# Altium PCB Face_InMain1V0.PcbDoc (part 2 of 2)
Units mm, origin at the board's own origin, x right, y up, seen from the top; angles counter-clockwise.
Board outline 95 x 77.8 mm, 2 copper layers (Top Layer, Bottom Layer), stack 0.8 mm thick; 173 components, 129 nets, 571 pads, 520 vias.
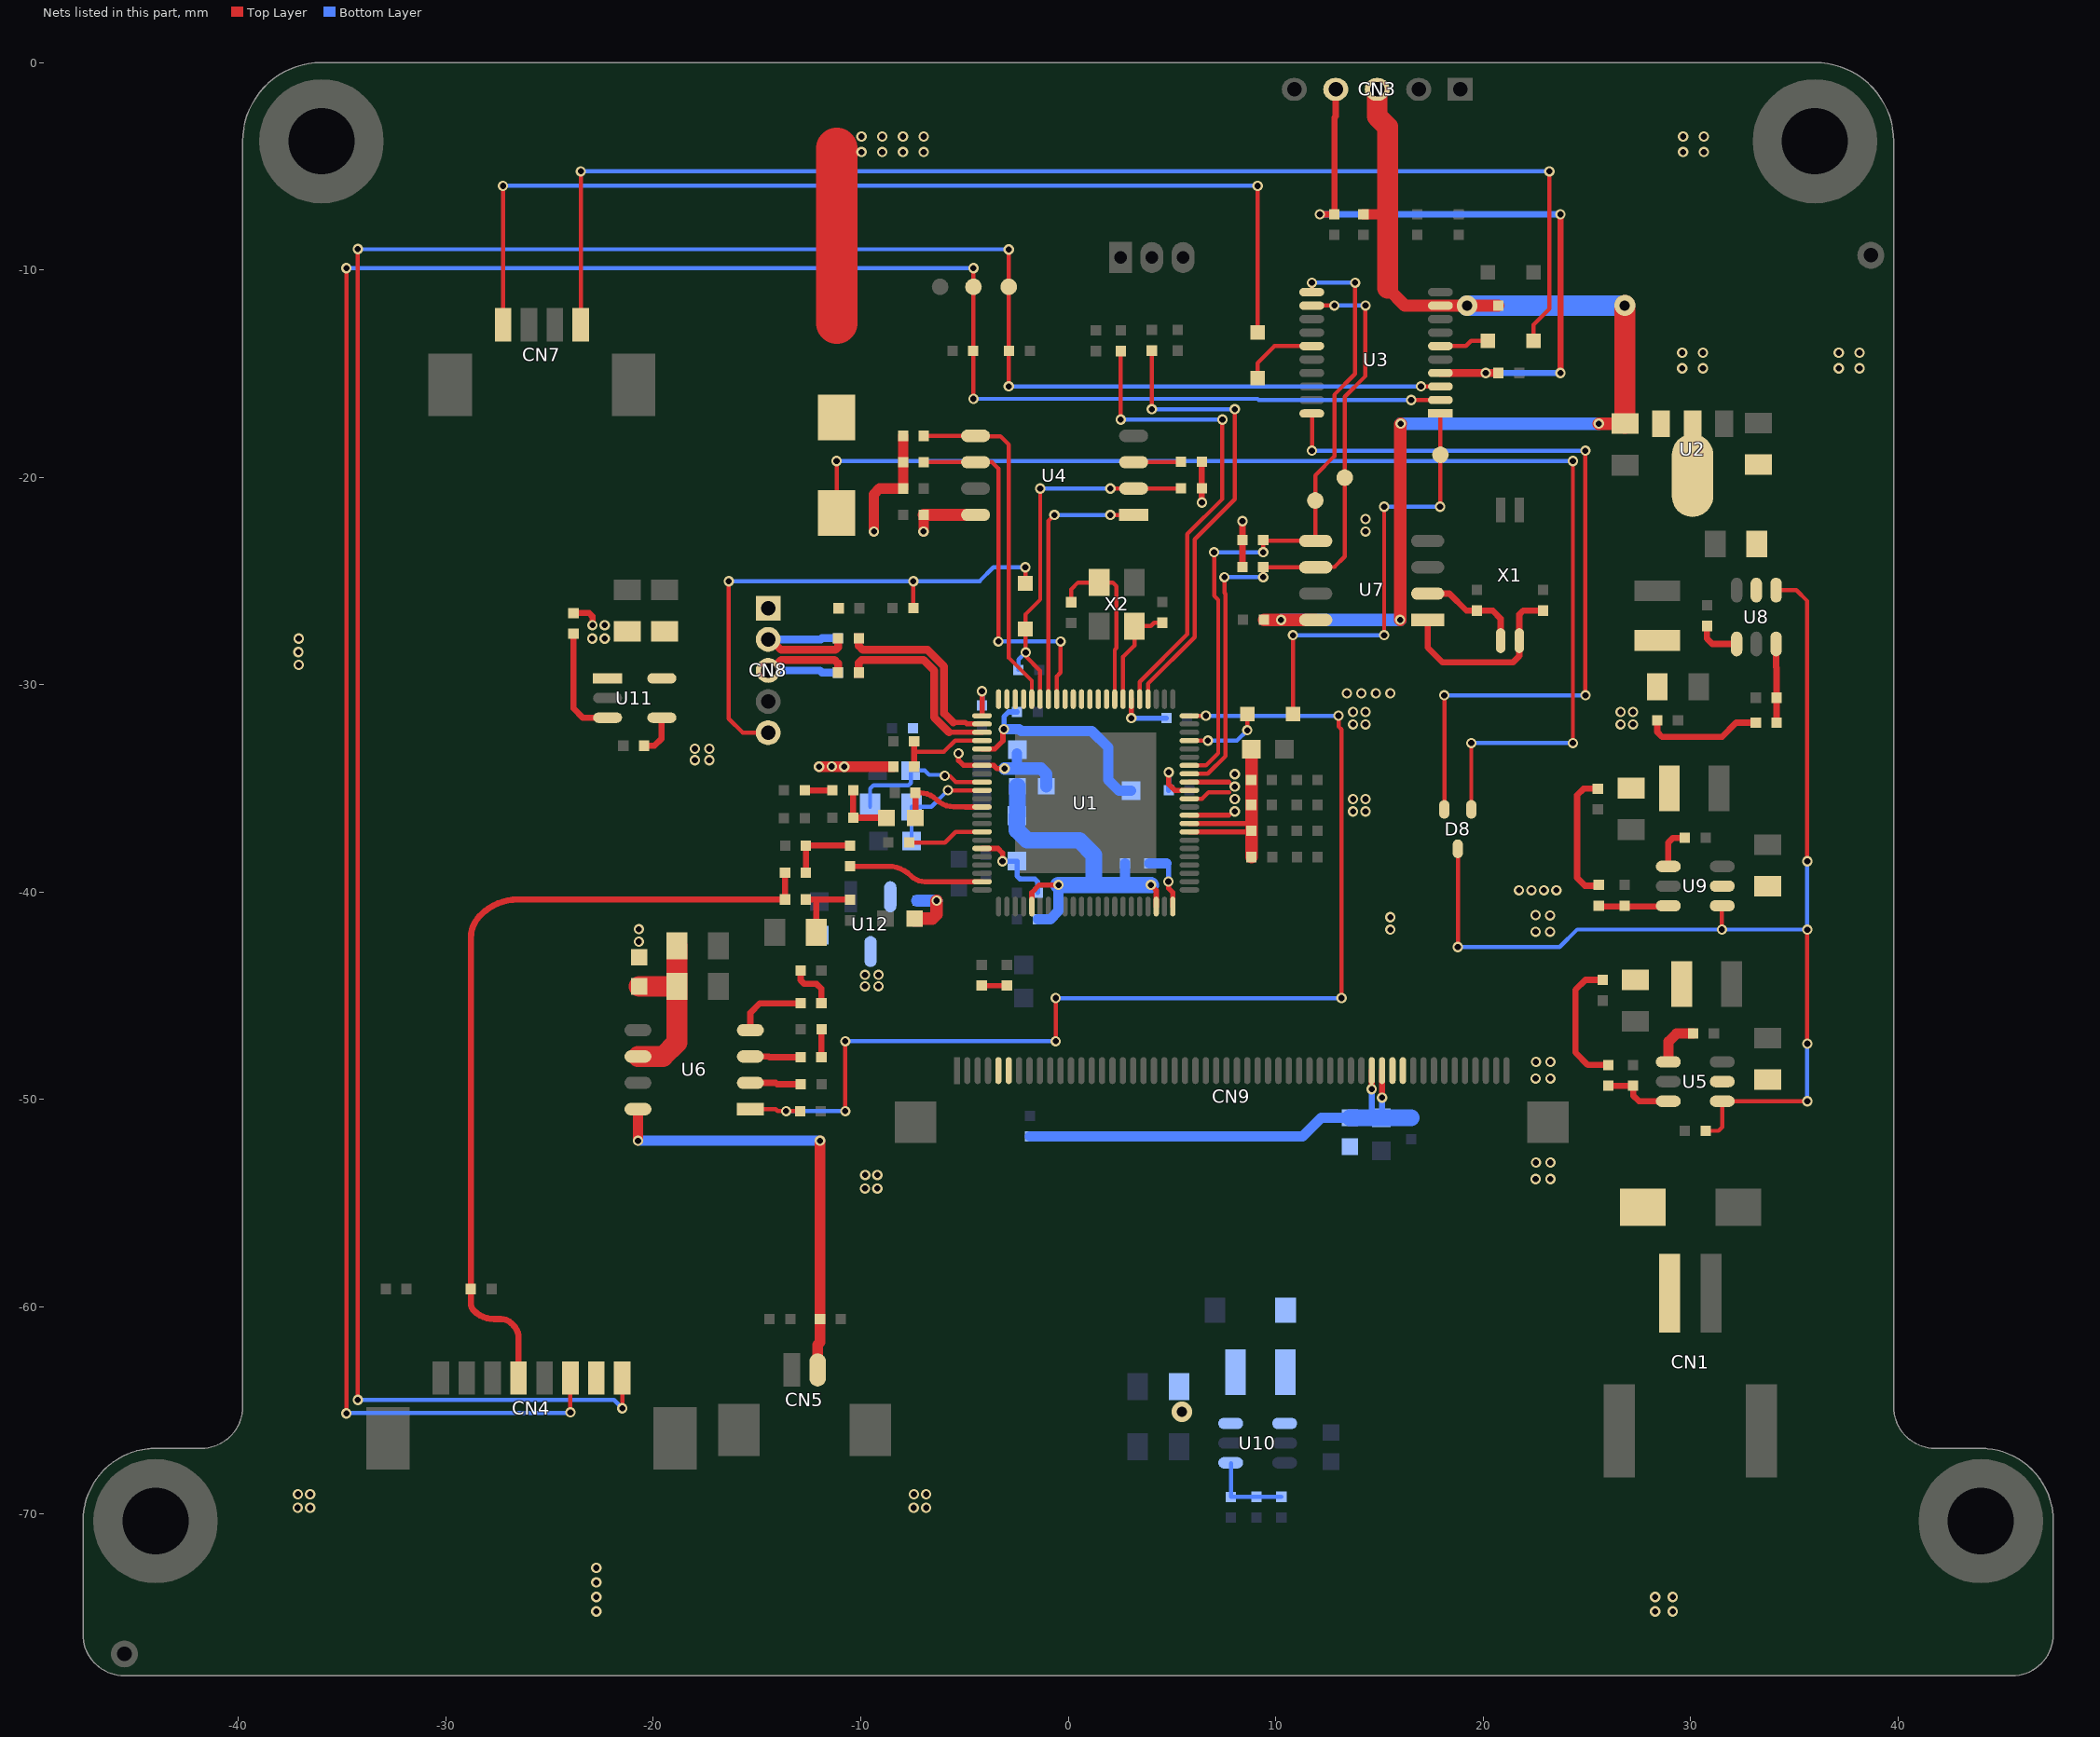
[diagram p2: the nets of this part, all layers, seen from the top]

## Via types
v1: diameter 0.5, hole 0.3, Top Layer to Bottom Layer, tented both sides, 513 vias
v2: diameter 1, hole 0.5, Top Layer to Bottom Layer, tented both sides, 7 vias

## Nets (pads, with @x,y where several pads share a name; then routed paths per layer and width w, separated by ;. In a path a pad name is that pad's centre, name@x,y a point inside that pad or via, vN(x,y) a via of type N, cw(c..) or ccw(c..) an arc to the next point about the centre after c; other vN are vias at no path point) (continued)
LS-: CN5.2 E2.1 U6.8 | length 21.4
  Top Layer w0.5: v1(-20.744,-52) U6.8@-20.744,-50.478 ; CN5.2@-12.079,-63.05 -12.079,-61.837 -11.967,-61.724 E2.1@-11.967,-60.6 v1(-11.967,-52)
  Bottom Layer w0.5: v1(-20.744,-52) v1(-11.967,-52)
LX_LCD: D3.1 L4.2 U10.1
MBIAS: C60.1 R35.1 R36.1 | length 3.7
  Top Layer w0.3: R35.1@-12.652,-40.366 -12.104,-40.366 ; C60.1@-12.144,-41.95 -12.144,-40.405 -12.104,-40.366 ; R36.1@-10.521,-40.366 -12.104,-40.366
MCU_INT: D9.2 MCU_INT.1 U3.1 | length 21.6
  Top Layer w0.2: D9.2@10.833,-31.421 v1(10.833,-27.621) ; v1(15.233,-27.621) v1(15.233,-21.421) ; v1(17.933,-21.421) 17.94,-21.415 MCU_INT.1@17.94,-18.928 ; MCU_INT.1@17.946,-18.921 U3.1@17.946,-16.927
  Bottom Layer w0.2: v1(10.833,-27.621) v1(15.233,-27.621) ; v1(15.233,-21.421) v1(17.933,-21.421)
MICI: CN4.4 E16.1 R34.2 R35.2 | length 40.1
  Top Layer w0.3: CN4.4@-26.5,-63.45 -26.5,-61.504 ccw(c-27.354,-61.504) -26.75,-60.9 -26.838,-60.812 ccw(c-27.35,-61.324) -27.35,-60.6 -27.684,-60.6 cw(c-27.684,-59.234) -28.65,-60.2 cw(c-28.288,-59.838) -28.8,-59.838 E16.1@-28.8,-59.15 -28.8,-42.221 cw(c-27.264,-42.221) -28.35,-41.135 -28.325,-41.11 cw(c-26.529,-42.906) -26.529,-40.366 R35.2@-13.652,-40.366 ; R35.2@-13.649,-40.363 R34.2@-13.649,-39.066
MICIN: C59.1 U1.87 | length 6.6
  Top Layer w0.25: C59.1@-10.511,-38.766 -8.695,-38.766 cw(c-8.695,-40.36) -7.567,-39.233 ccw(c-6.912,-38.577) -6.912,-39.504 U1.87@-4.155,-39.504
NetC12_1: C12.1 R11.1 | length 2.3
  Top Layer w0.3: C12.1@-12.9,-43.8 -12.9,-44.26 -12.72,-44.44 -12.127,-44.44 -11.897,-44.67 R11.1@-11.897,-45.371
NetC13_1: C13.1 R13.1 | length 1.3
  Top Layer w0.3: R13.1@-11.895,-47.97 C13.1@-11.895,-46.623
NetC27_2: C27.2 U5.1 | length 2.3
  Top Layer w0.5: U5.1@28.933,-48.196 28.933,-47.221 29.333,-46.821 C27.2@30.133,-46.821
NetC31_1: C31.1 U9.1 | length 2
  Top Layer w0.3: U9.1@28.933,-38.771 28.933,-37.621 29.158,-37.396 C31.1@29.733,-37.396
NetC40_1: C40.1 R20.1 R27.2 U10.4 | length 4.1
  Bottom Layer w0.2: R27.2@7.848,-69.179 U10.4@7.848,-67.545 ; R27.2@7.852,-69.174 R20.1@10.273,-69.174
NetC44_2: C44.2 U8.1 | length 2.2
  Top Layer w0.3: C44.2@30.797,-27.174 30.797,-27.79 31.052,-28.045 U8.1@32.228,-28.045
NetC51_1: C51.1 U6.2 | length 2.5
  Top Layer w0.3: U6.2@-15.324,-49.208 -14.1,-49.208 -14.035,-49.273 C51.1@-12.894,-49.273
NetC52_1: C52.1 U7.1 X1.1 | length 9.4
  Top Layer w0.3: U7.1@17.332,-26.884 17.332,-28.217 18.051,-28.936 21.433,-28.936 21.749,-28.62 X1.1@21.749,-27.884 21.749,-26.621 21.933,-26.438 C52.1@22.897,-26.438
NetC53_1: C53.1 U7.2 X1.4 | length 5.1
  Top Layer w0.3: U7.2@17.332,-25.614 18.376,-25.614 19.199,-26.438 C53.1@19.699,-26.438 20.466,-26.438 20.849,-26.821 X1.4@20.849,-27.884
NetC57_1: C57.1 R4.2 | length 1.2
  Top Layer w0.25: R4.2@-4.167,-44.518 C57.1@-2.955,-44.518
NetC58_1: C58.1 C59.2 R34.1 | length 3.4
  Top Layer w0.3: R34.1@-12.647,-39.064 C58.1@-12.647,-37.768 ; C58.1@-12.645,-37.766 C59.2@-10.511,-37.766
NetC67_1: C67.1 R37.1 | length 1.3
  Top Layer w0.3: C67.1@-12.704,-35.104 R37.1@-11.367,-35.104
NetC68_1: C68.1 L5.1 R37.2 | length 2.9
  Top Layer w0.3: R37.2@-10.367,-35.104 C68.1@-10.367,-36.421 L5.1@-8.8,-36.421
NetC71_2: C71.2 U11.4 | length 2
  Top Layer w0.3: C71.2@-20.45,-32.95 -19.95,-32.95 -19.6,-32.6 -19.6,-31.61 U11.4@-19.59,-31.6
NetCN8_5: CN8.5 D4.2 E3.1 | length 25.4
  Top Layer w0.2: v1(-16.367,-25.021) -16.367,-31.641 -15.687,-32.321 CN8.5@-14.467,-32.321 ; E3.1@-7.466,-26.305 v1@-7.466,-25.022 ; D4.2@-2.067,-25.121 v1(-2.067,-24.344)
  Bottom Layer w0.2: v1(-16.367,-25.021) v1(-7.467,-25.021) -4.267,-25.021 -4.267,-25.009 -3.602,-24.344 v1(-2.067,-24.344)
NetD9_1: D9.1 U1.41 | length 3.8
  Top Layer w0.2: U1.41@5.845,-32.704 v1(6.733,-32.704) ; v1(8.633,-32.204) D9.1@8.633,-31.421
  Bottom Layer w0.2: v1(6.733,-32.704) 8.133,-32.704 v1(8.633,-32.204)
NetR11_2: R11.2 U6.4 | length 3.5
  Top Layer w0.3: U6.4@-15.324,-46.668 -15.324,-45.83 -14.866,-45.371 R11.2@-12.897,-45.371
NetR13_2: R13.2 U6.3 | length 2.4
  Top Layer w0.3: U6.3@-15.324,-47.938 -14.437,-47.938 -14.403,-47.971 R13.2@-12.897,-47.971
NetR14_1: R14.1 R15.2 U5.3 | length 3.5
  Top Layer w0.3: R14.1@26.033,-49.346 R15.2@27.239,-49.347 ; R15.2@27.239,-49.347 27.239,-49.816 27.519,-50.096 U5.3@28.933,-50.096
NetR16_1: R16.1 R18.2 U8.3 | length 3.8
  Top Layer w0.3: U8.3@34.128,-28.045 34.128,-29.166 34.152,-29.19 R16.1@34.152,-31.841
NetR17_1: R17.1 R19.2 U9.3 | length 3.3
  Top Layer w0.3: R17.1@25.546,-40.705 U9.3@28.89,-40.705
NetR40_1: R40.1 U11.3 | length 5.4
  Top Layer w0.3: R40.1@-23.85,-27.55 -23.85,-31.15 -23.39,-31.61 -22.22,-31.61 U11.3@-22.21,-31.6
NRST: C49.1 CN3.4 E6.1 U3.4 | length 32.4
  Top Layer w0.3: v1(12.133,-7.321) E6.1@12.833,-7.321 12.833,-2.667 12.9,-2.6 CN3.4@12.9,-1.3 ; v1(23.733,-14.977) v1(23.733,-7.321)
  Top Layer w0.4: U3.4@17.946,-14.977 v1(20.133,-14.977) C49.1@20.746,-14.977
  Bottom Layer w0.3: v1(12.133,-7.321) v1(23.733,-7.321) ; v1(20.133,-14.977) v1(23.733,-14.977)
Power: CN7.4 D7.2 | length 62.6
  Top Layer w0.2: CN7.4@-23.5,-12.65 v1(-23.5,-5.25) ; D7.2@22.433,-13.426 22.433,-12.65 23.2,-11.883 v1(23.2,-5.25)
  Bottom Layer w0.2: v1(-23.5,-5.25) v1(23.2,-5.25)
Power_IN: D7.1 U3.6 | length 2.4
  Top Layer w0.2: U3.6@17.946,-13.677 19.177,-13.677 19.429,-13.426 D7.1@20.233,-13.426
PWR-EN: D8.2 U3.20 | length 39.1
  Top Layer w0.2: v1(11.752,-18.721) U3.20@11.752,-16.933 ; D8.2@18.134,-36.021 v1(18.134,-30.521) ; v1@24.935,-18.723 24.935,-30.52 v1(24.936,-30.521)
  Bottom Layer w0.2: v1(11.752,-18.721) v1(24.933,-18.721) ; v1(18.134,-30.521) v1(24.936,-30.521)
PWRON: D8.3 R1.1 U5.4 U8.4 U9.4 | length 55.1
  Top Layer w0.2: v1(18.784,-42.658) D8.3@18.784,-37.921 ; R1.1@30.733,-51.521 31.354,-51.521 31.533,-51.343 U5.4@31.533,-50.096 v1(35.633,-50.096) ; v1(31.517,-41.816) U9.4@31.517,-40.687 ; U8.4@34.128,-25.445 35.103,-25.445 35.633,-25.974 v1(35.633,-38.521) ; v1(35.633,-47.321) v1(35.633,-41.821)
  Bottom Layer w0.2: v1(18.784,-42.658) 23.696,-42.658 24.539,-41.816 v1(31.517,-41.816) v1@35.627,-41.816 ; v1(35.633,-50.096) v1(35.633,-47.321) ; v1(35.633,-41.821) v1(35.633,-38.521)
RESET: C37.2 R8.2 U1.70 | length 4.7
  Top Layer w0.2: -7.415,-33.235 -5.985,-33.235 -5.454,-32.704 U1.70@-4.155,-32.704
  Top Layer w0.3: R8.2@-7.429,-33.96 C37.2@-7.429,-32.735
RXD: CN4.8 E14.1 RXD.1 U3.3 | length 128.7
  Top Layer w0.2: v1(-34.25,-64.5) v1(-34.25,-9) ; v1(-21.5,-64.9) CN4.8@-21.5,-63.45 ; v1(-2.867,-15.621) RXD.1@-2.867,-10.821 v1(-2.867,-9.021) ; v1@17.014,-15.624 U3.3@17.943,-15.624
  Bottom Layer w0.2: v1(-34.25,-64.5) -21.9,-64.5 v1(-21.5,-64.9) ; v1@-34.25,-9.011 -2.878,-9.011 v1(-2.867,-9.021) ; v1(-2.867,-15.621) v1(17.011,-15.621)
SCL: R31.1 SCL.1 U1.37 U3.12 U7.6 | length 32.3
  Top Layer w0.2: U1.37@5.845,-34.304 6.733,-34.304 7.583,-33.454 7.583,-25.621 7.533,-25.571 v1(7.533,-24.821) ; v1(9.399,-24.821) R31.1@9.399,-24.335 9.404,-24.34 U7.6@11.927,-24.34 ; U3.12@11.752,-11.721 v1(12.833,-11.721) ; U7.6@11.941,-24.335 12.833,-24.335 13.333,-23.835 SCL.1@13.333,-20.021 13.333,-16.121 14.333,-15.121 v1(14.333,-11.721)
  Bottom Layer w0.2: v1(7.533,-24.821) v1(9.399,-24.821) ; v1(12.833,-11.721) v1(14.333,-11.721)
SD0_CLK: U1.56
SD0_CMD: U1.55
SD0_DATA0: U1.57
SD0_DATA1: U1.58
SD0_DATA2: U1.53
SD0_DATA3: U1.54
SDA: R32.1 SDA.1 U1.38 U3.11 U7.5 | length 32.6
  Top Layer w0.2: U1.38@5.845,-33.904 6.638,-33.904 7.233,-33.309 7.233,-25.921 7.033,-25.721 v1(7.033,-23.621) ; v1(9.399,-23.621) R32.1@9.399,-23.035 ; R32.1@9.419,-23.055 11.912,-23.055 11.913,-23.056 SDA.1@11.913,-21.121 11.913,-19.911 12.833,-18.991 12.833,-16.021 13.833,-15.021 v1(13.833,-10.621) ; U3.11@11.752,-11.071 v1(11.752,-10.621)
  Bottom Layer w0.2: v1(7.033,-23.621) v1(9.399,-23.621) ; v1(11.752,-10.621) v1(13.833,-10.621)
SPI0-CLK: R7.1 U1.59 U4.6 | length 17.9
  Top Layer w0.2: R7.1@-6.96,-19.276 U4.6@-4.467,-19.276 -3.681,-19.276 -3.367,-19.591 v1(-3.367,-27.921) ; U1.59@-0.555,-30.704 -0.555,-29.611 -0.367,-29.423 v1(-0.367,-27.921)
  Bottom Layer w0.2: v1(-3.367,-27.921) v1(-0.367,-27.921)
SPI0-CS: U1.60 U4.1 | length 12.8
  Top Layer w0.2: U1.60@-0.955,-30.704 -0.955,-22.109 v1(-0.667,-21.821) ; v1(2.034,-21.821) U4.1@3.148,-21.821
  Bottom Layer w0.2: v1(-0.667,-21.821) v1(2.034,-21.821)
SPI0-MISO: D4.1 R9.1 R39.1 U1.61 U4.2 | length 18.5
  Top Layer w0.2: U1.61@-1.355,-30.704 -1.355,-29.332 -2.067,-28.62 D4.1@-2.067,-27.321 -2.067,-26.621 -1.35,-25.904 v1(-1.35,-20.55) ; v1(2.033,-20.546) U4.2@3.153,-20.546 3.16,-20.54 R9.1@5.434,-20.54
  Bottom Layer w0.2: R39.1@-2.4,-29.3 -2.4,-28.8 v1(-2.05,-28.45) ; v1@-1.348,-20.548 v1@2.031,-20.548
SPI0-MOSI: R5.1 U1.62 U4.5 | length 17
  Top Layer w0.2: R5.1@-6.96,-18.006 U4.5@-4.467,-18.006 -4.452,-18.021 -3.267,-18.021 -2.857,-18.431 -2.857,-28.714 -1.755,-29.816 U1.62@-1.755,-30.704
SPI0-WP: R10.1 U4.3 | length 2.3
  Top Layer w0.2: U4.3@3.16,-19.27 5.434,-19.27 R10.1@5.44,-19.263
SPI1-CLK: U1.64
SPI1-CS: U1.66
SPI1-MISO: U1.63
SPI1-MOSI: U1.65
SPK_EN: R12.1 U1.44 U6.1 | length 55.5
  Top Layer w0.2: U6.1@-15.324,-50.478 -14.1,-50.478 -14.005,-50.573 v1(-13.6,-50.573) R12.1@-12.93,-50.573 ; v1(-10.75,-50.573) v1(-10.75,-47.2) ; v1(-0.6,-47.2) v1(-0.6,-45.121) ; U1.44@5.845,-31.504 v1(6.638,-31.504) ; v1(13.033,-31.504) 13.033,-32.021 13.178,-32.166 v1(13.178,-45.121)
  Bottom Layer w0.2: v1(-13.6,-50.573) v1(-10.75,-50.573) ; v1(-10.75,-47.2) v1(-0.6,-47.2) ; v1(-0.6,-45.121) v1(13.178,-45.121) ; v1(6.638,-31.504) v1(13.033,-31.504)
SPK_VCC: C11.1 C15.1 FB4.1 U6.6 | length 8.6
  Top Layer w1: U6.6@-20.744,-47.938 -19.538,-47.938 -18.869,-47.269 C15.1@-18.869,-44.551 ; FB4.1@-20.687,-44.551 C15.1@-18.869,-44.551 ; C11.1@-18.869,-42.6 C15.1@-18.869,-44.551
TVIN: C69.1 L5.2 U1.78 | length 4.6
  Top Layer w0.25: C69.1@-7.367,-35.221 -7.143,-35.221 cw(c-7.143,-36.343) -6.35,-35.55 ccw(c-5.514,-34.714) -5.514,-35.896 -4.967,-35.896 -4.967,-35.904 U1.78@-4.155,-35.904
  Top Layer w0.3: L5.2@-7.367,-36.435 C69.1@-7.367,-35.221
TXD: CN4.6 E13.1 TXD.1 U3.2 | length 126.8
  Top Layer w0.2: v1(-34.8,-65.15) v1(-34.8,-9.921) ; v1(-24,-65.1) CN4.6@-24,-63.45 ; v1(-4.567,-16.221) TXD.1@-4.567,-10.821 v1(-4.567,-9.921) ; v1(16.533,-16.277) U3.2@17.946,-16.277
  Bottom Layer w0.2: v1(-34.8,-65.15) -34.775,-65.125 -24.025,-65.125 v1(-24,-65.1) ; v1(-34.8,-9.921) v1(-4.567,-9.921) ; v1(-4.567,-16.221) 9.133,-16.221 9.189,-16.277 v1(16.533,-16.277)
U_N: CN8.2 E9.1 R23.2 | length 7.5
  Top Layer w0.38: CN8.2@-14.467,-27.821 -14.344,-27.821 -13.834,-28.331 -11.221,-28.331 -11.097,-28.207 R23.2@-11.097,-27.767
  Bottom Layer w0.38: CN8.2@-14.467,-27.821 -11.921,-27.821 -11.867,-27.767 E9.1@-11.097,-27.767
U_P: CN8.3 E7.1 R22.2 | length 7.5
  Top Layer w0.38: CN8.3@-14.467,-29.321 -14.344,-29.321 -13.834,-28.811 -11.267,-28.811 -11.097,-28.982 R22.2@-11.097,-29.421
  Bottom Layer w0.38: CN8.3@-14.467,-29.321 -11.967,-29.321 -11.867,-29.421 E7.1@-11.097,-29.421
UART0_RX: R25.1 U1.49 | length 23.3
  Top Layer w0.2: v1(2.533,-17.221) R25.1@2.533,-13.923 ; U1.49@3.445,-30.704 3.445,-29.87 5.745,-27.57 5.745,-22.742 7.433,-21.054 v1(7.433,-17.221)
  Bottom Layer w0.2: v1(2.533,-17.221) v1(7.433,-17.221)
UART0_TX: R24.1 U1.48 | length 22.5
  Top Layer w0.2: U1.48@3.845,-30.704 3.845,-29.965 6.095,-27.715 6.095,-22.997 8.033,-21.059 v1(8.033,-16.721) ; v1@4.032,-16.721 R24.1@4.032,-13.897
  Bottom Layer w0.2: v1(4.033,-16.721) v1(8.033,-16.721)
USB_N: R23.1 U1.68 | length 9.2
  Top Layer w0.25: -5.55,-31.821 -4.967,-31.821 -4.884,-31.904 U1.68@-4.155,-31.904
  Top Layer w0.38: R23.1@-10.097,-27.767 -10.097,-28.138 -9.903,-28.331 -6.778,-28.331 -5.98,-29.13 -5.98,-31.392 -5.55,-31.821
USB_P: R22.1 U1.69 | length 9.2
  Top Layer w0.25: -5.746,-32.304 U1.69@-4.155,-32.304
  Top Layer w0.38: R22.1@-10.097,-29.421 -10.097,-28.951 -9.957,-28.811 -6.977,-28.811 -6.46,-29.329 -6.46,-31.59 -5.749,-32.301
VBAT: C26.2 C30.2 C43.2 C47.2 CN1.2 CN4.7 D1.2 D2.2 U2.2 U5.5 U8.5 U9.5 | length 10.9
  Top Layer w0.8: U2.2@30.102,-19.919 U2.2@30.102,-17.419
  Top Layer w2: -11.167,-12.571 -11.167,-4.15
  other v1: -22.75,-74.7 28.3,-74.7 29.15,-74.7 -22.75,-74 28.3,-74 29.15,-74 -22.75,-73.3 -22.75,-72.6 29.602,-14.75 30.602,-14.75 37.15,-14.75 38.15,-14.75 29.602,-14 30.602,-14 37.15,-14 38.15,-14 -9.967,-4.321 -8.967,-4.321 -7.967,-4.321 -6.967,-4.321 29.65,-4.321 30.65,-4.321 -9.967,-3.571 -8.967,-3.571 -7.967,-3.571 -6.967,-3.571 29.65,-3.571 30.65,-3.571
VCC-DRAM-AP: C1.2 C2.1 C3.2 C4.2 C45.1 C46.2 L3.2 R16.2 R26.2 U1.30 U1.31 U1.32 U1.34 U1.36 | length 22.7
  Top Layer w0.2: U1.34@5.845,-35.504 6.455,-35.504 6.765,-35.194 7.759,-35.194
  Top Layer w0.25: U1.30@5.845,-37.104 C1.2@8.833,-37.104 ; U1.31@5.845,-36.704 8.833,-36.704 ; U1.32@5.845,-36.304 7.733,-36.304 ; U1.36@5.845,-34.704 7.733,-34.704
  Top Layer w0.3: C45.1@28.397,-31.726 28.397,-32.286 28.633,-32.521 31.522,-32.521 32.202,-31.841 R16.2@33.152,-31.841
  Top Layer w0.6: R26.2@8.833,-38.321 8.833,-37.104 C1.2@8.833,-37.051 8.833,-36.704 8.833,-35.817 C2.1@8.833,-33.121
  other v1: 8.033,-36.121 13.733,-36.121 14.333,-36.121 8.033,-35.521 13.733,-35.521 14.333,-35.521 8.033,-34.921 8.033,-34.321 13.733,-31.921 14.333,-31.921 26.633,-31.921 27.233,-31.921 13.733,-31.321 14.333,-31.321 26.633,-31.321 27.233,-31.321
VCC-IO: C20.2 C21.1 C22.2 C23.2 C25.2 C28.1 C29.2 C32.2 C38.2 C61.1 C70.2 FB2.2 FB3.2 FB4.2 L1.2 L4.1 R5.2 R6.2 R7.2 R8.1 R9.2 R10.2 R14.2 R31.2 R32.2 R40.2 U1.5 U1.20 U1.50 U1.67 U4.8 U10.6 U11.1 U12.3 | length 48.1
  Top Layer w0.25: U1.67@-4.155,-31.504 v1(-4.155,-30.321) ; U1.5@-1.755,-40.704 -1.755,-40.033 -1.387,-39.666 v1(-0.467,-39.666) ; v1(3.045,-31.621) U1.50@3.045,-30.704 ; v1(3.984,-39.666) 4.245,-39.926 U1.20@4.245,-40.704
  Top Layer w0.3: R40.2@-23.85,-26.55 -23.1,-26.55 -22.937,-26.713 v1(-22.937,-27.134) ; R10.2@6.44,-19.263 R9.2@6.44,-20.533 6.443,-20.535 6.443,-21.219 v1(6.445,-21.221) ; R31.2@8.399,-24.335 R32.2@8.399,-23.035 v1(8.399,-22.121) ; C28.1@25.764,-44.24 24.936,-44.24 24.454,-44.721 24.454,-47.743 25.058,-48.346 R14.2@26.033,-48.346
  Top Layer w0.5: v1(-12.009,-33.96) v1(-10.8,-33.96) R8.1@-8.429,-33.96 ; v1(-9.367,-22.621) -9.367,-20.821 -9.092,-20.546 R6.2@-7.96,-20.546 R5.2@-7.96,-18.006 ; v1@-6.968,-22.613 C20.2@-6.968,-21.82
  Top Layer w0.6: C20.2@-6.96,-21.816 U4.8@-4.467,-21.816
  Bottom Layer w0.25: C23.2@-4.155,-31.004 v1(-4.155,-30.321) ; v1(3.045,-31.621) C32.2@4.733,-31.621
  Bottom Layer w0.5: C22.2@-1.466,-41.321 -0.866,-41.321 -0.467,-40.923 v1(-0.467,-39.666) ; 2.733,-39.666 C25.2@2.733,-38.621
  Bottom Layer w0.8: C21.1@-2.467,-36.321 -2.467,-37.033 -1.984,-37.516 0.533,-37.516 1.233,-38.216 1.233,-39.666 ; C21.1@-2.455,-36.309 FB2.2@-2.455,-34.904 ; v1(-0.467,-39.666) 1.233,-39.666 ; v1(3.984,-39.666) 2.733,-39.666 1.233,-39.666
  other v1: -37.15,-69.7 -36.55,-69.7 -7.45,-69.7 -6.85,-69.7 -37.137,-69.05 -36.55,-69.05 -7.437,-69.05 -6.85,-69.05 -9.8,-54.3 -9.2,-54.3 22.533,-53.85 23.25,-53.85 -9.787,-53.65 -9.2,-53.65 22.55,-53.05 23.25,-53.05 22.533,-49 23.25,-49 22.55,-48.2 23.25,-48.2 -9.8,-44.55 -9.15,-44.55 -9.8,-44 -9.15,-44 -20.7,-42.4 22.533,-41.921 23.233,-41.921 15.533,-41.821 -20.7,-41.8 15.533,-41.221 23.233,-41.135 22.533,-41.121 -11.4,-33.95 13.433,-30.421 14.133,-30.421 14.833,-30.421 15.533,-30.421 -37.1,-29.05 -37.113,-28.434 -37.1,-27.784 -22.95,-27.784 -22.35,-27.784 -22.35,-27.134 -6.977,-22.621 14.337,-22.621 14.337,-22.021
  other v2: 5.478,-65.069
VCC-TV: C24.2 C72.2 C73.2 FB2.1 U1.73 U11.5 | length 6.2
  Top Layer w0.25: v1(-5.287,-33.321) -5.287,-33.66 -5.043,-33.904 U1.73@-4.155,-33.904 -3.584,-33.904 -3.434,-34.054 v1(-3.067,-34.054)
  Bottom Layer w0.5: -2.467,-34.054 C73.2@-2.467,-33.321
  Bottom Layer w0.6: v1(-3.067,-34.054) -2.467,-34.054 -1.317,-34.054 -1.055,-34.316 FB2.1@-1.055,-34.904
  other v1: -18,-33.65 -17.3,-33.65 -18,-33.1 -17.3,-33.1
VCC_1V1: C16.1 C18.2 C19.2 C33.1 C34.2 C56.2 L2.2 R17.2 U1.22 U1.35 U1.71 | length 23.1
  Top Layer w0.25: U1.71@-4.155,-33.104 -3.536,-33.104 -3.148,-32.716 -3.148,-32.198 v1(-3.1,-32.15) ; v1(4.833,-39.504) 4.833,-39.821 5.045,-40.033 U1.22@5.045,-40.704 ; v1(4.845,-34.233) 4.845,-34.816 5.133,-35.104 U1.35@5.845,-35.104
  Top Layer w0.3: C33.1@25.533,-35.021 24.844,-35.021 24.533,-35.332 24.533,-39.321 24.913,-39.702 R17.2@25.543,-39.702
  Bottom Layer w0.25: v1(-3.1,-32.15) -3.1,-31.546 -2.875,-31.321 C18.2@-2.467,-31.321 ; v1(4.833,-39.504) 4.833,-38.721 ; C56.2@4.845,-35.104 v1(4.845,-34.233)
  Bottom Layer w0.5: v1(-3.1,-32.15) -2.366,-32.15 -2.275,-32.24 1.133,-32.24 1.933,-33.04 1.933,-34.604 2.45,-35.121 C16.1@3.033,-35.121 ; C19.2@3.908,-38.621 4.733,-38.621
  other v1: 21.733,-39.921 22.333,-39.921 22.933,-39.921 23.533,-39.921
VCC_2V8: C62.1 FB1.2 U12.2 | length 2.7
  Top Layer w0.6: FB1.2@-7.405,-41.291 -6.554,-41.291 -6.344,-41.081 v1(-6.344,-40.421)
  Bottom Layer w0.6: C62.1@-7.267,-40.421 v1(-6.344,-40.421)
VCC_LCD: C41.1 C42.1 CN9.41 CN9.42 FB3.1 R29.2 | length 23.3
  Top Layer w0.3: v1(14.633,-49.51) v1(14.633,-49.51) CN9.41@14.634,-48.616 ; v1(15.134,-49.922) CN9.42@15.134,-48.616
  Bottom Layer w0.3: 14.633,-50.891 v1(14.633,-49.51) ; C41.1@15.134,-50.862 v1(15.134,-49.922)
  Bottom Layer w0.5: R29.2@-1.85,-51.8 11.291,-51.8 12.2,-50.891 FB3.1@13.581,-50.891
  Bottom Layer w0.8: FB3.1@13.581,-50.891 14.633,-50.891 C42.1@16.531,-50.891
VCC_MCU: C14.2 C48.2 C50.2 CN3.3 E10.1 U2.3 U3.9 U7.8 | length 58.4
  Top Layer w0.5: E10.1@14.233,-7.321 15.297,-7.321
  Top Layer w0.6: C14.2@9.436,-26.884 v1(10.263,-26.884) U7.8@11.932,-26.884 ; 15.397,-10.891 16.233,-11.727 U3.9@17.946,-11.727 v2(19.233,-11.727) C50.2@20.735,-11.727 ; v1(16.003,-26.881) 16.003,-17.451 v1(16.033,-17.421) ; v1(25.583,-17.421) C48.2@26.84,-17.421
  Top Layer w1: CN3.3@14.9,-1.3 14.9,-2.6 15.397,-3.097 15.397,-10.891 ; C48.2@26.833,-17.409 v2(26.833,-11.721)
  Bottom Layer w0.6: v1(10.263,-26.884) 16,-26.884 v1(16.003,-26.881) ; v1(16.033,-17.421) v1(25.583,-17.421)
  Bottom Layer w1: v2(19.233,-11.727) 26.827,-11.727 v2(26.833,-11.721)
Voice: CN7.1 D5.2 | length 50.2
  Top Layer w0.2: CN7.1@-27.25,-12.65 v1(-27.25,-5.95) ; D5.2@9.133,-13.026 v1(9.133,-5.95)
  Bottom Layer w0.2: v1(-27.25,-5.95) v1(9.133,-5.95)
Voice_IN: D5.1 U3.15 | length 3.7
  Top Layer w0.2: D5.1@9.133,-15.226 9.133,-14.494 9.95,-13.677 U3.15@11.746,-13.677
VRA1: C54.2 U1.81 | length 3.7
  Top Layer w0.2: C54.2@-7.667,-37.621 -5.949,-37.621 -5.432,-37.104 U1.81@-4.155,-37.104
VRA2: C55.2 R2.2 U1.83 | length 4.5
  Top Layer w0.25: U1.83@-4.155,-37.904 -3.384,-37.904 -3.167,-38.121 v1(-3.167,-38.521)
  Bottom Layer w0.25: v1(-3.167,-38.521) C55.2@-2.467,-38.521 -2.467,-39.233 -2.328,-39.371 -1.617,-39.371 -1.467,-39.521 R2.2@-1.467,-40.033
VRN: C64.2 C65.2 U1.75 | length 7.2
  Top Layer w0.2: v1(-5.95,-34.4) -5.721,-34.4 -5.419,-34.702 -4.157,-34.702 U1.75@-4.155,-34.704
  Bottom Layer w0.2: C65.2@-9.55,-35.9 -9.55,-35.021 -9.39,-34.861 -7.707,-34.861 -7.59,-34.744 C64.2@-7.59,-34.15 -6.915,-34.15 -6.71,-34.355 -5.995,-34.355 v1(-5.95,-34.4)
VRP: C65.1 C66.2 U1.76 | length 5.4
  Top Layer w0.2: v1(-5.8,-35.1) -4.159,-35.1 U1.76@-4.155,-35.104
  Bottom Layer w0.2: C66.2@-7.55,-37.55 C65.1@-7.55,-35.9 -6.6,-35.9 v1(-5.8,-35.1)
VUSB: CN8.1 D1.1 D8.1 E8.1 | length 59.7
  Top Layer w0.2: D1.1@-11.167,-21.721 v1(-11.167,-19.221) ; D8.1@19.434,-36.021 v1(19.434,-32.821) ; v1(24.333,-32.821) v1(24.333,-19.221)
  Bottom Layer w0.2: v1(-11.167,-19.221) v1(24.333,-19.221) ; v1(19.434,-32.821) v1(24.333,-32.821)
X24MI: C36.2 U1.51 X2.1 | length 5.2
  Top Layer w0.2: U1.51@2.645,-30.704 2.645,-28.669 3.193,-28.121 X2.1@3.193,-27.179 3.984,-27.179 4.142,-27.021 C36.2@4.533,-27.021
X24MO: C35.1 U1.52 X2.3 | length 8.5
  Top Layer w0.2: C35.1@0.143,-26.029 0.143,-25.411 0.475,-25.079 X2.3@1.493,-25.079 2.141,-25.079 2.333,-25.271 2.333,-28.229 2.245,-28.317 U1.52@2.245,-30.704
XL: CN9.44
XR: CN9.6
YD: CN9.43
YU: CN9.5
pads on no net: CN1.3 CN1.4 CN5.M1 CN5.M2 CN7.M1 CN7.M2 CN9.9 CN9.10 CN9.11 CN9.39 CN9.40 CN9.45 CN9.46 CN9.47 CN9.48 CN9.49 CN9.50 CN9.51 CN9.55 CN9.56 U1.1 U1.39 U1.40 U1.42 U1.43 U1.47 U1.72 U1.77 U1.79 U1.84 U1.85 U1.86 U3.0 U3.5 U3.13 U3.14 U3.16 U3.17 U3.19 U7.3 U7.7 U7.12

## Polygon pours and split planes (outlines as drawn)
GND on Top Layer "Top Layer-GND" (solid, remove dead copper, pour order 18): -47.55,0 47.5,0 47.5,-77.85 -47.55,-77.85
GND on Bottom Layer "Bottom Layer-GND" (solid, remove dead copper, pour order 20): -47.55,-77.85 -47.55,0 47.5,0 47.5,-77.85

## Keep-outs
Keep-Out Layer:
  lines w0.2: -47.501,-70.297 cw(c-44.156,-70.346) -47.498,-70.203 ; -47.501,-70.297 -47.501,-70.346 -47.501,-75.8 ccw(c-45.501,-75.8) -45.501,-77.8 45.499,-77.8 ccw(c45.499,-75.8) 47.499,-75.8 47.499,-70.346 ccw(c44.17,-70.346) 47.497,-70.247 ccw(c44.135,-70.347) 47.493,-70.148 ; -47.501,-70.297 -47.501,-70.297 ; -47.498,-70.203 cw(c-44.122,-70.348) -47.493,-70.105 ; -47.498,-70.203 -47.498,-70.203 ; -47.493,-70.105 cw(c-44.087,-70.351) -47.483,-70.001 ; -47.493,-70.105 -47.493,-70.105 ; -47.483,-70.001 cw(c-44.052,-70.354) -47.47,-69.891 cw(c-44.016,-70.359) -47.452,-69.772 ; -47.483,-70.001 -47.483,-70.001 ; -47.452,-69.772 cw(c-43.981,-70.365) -47.427,-69.642 ; -47.452,-69.772 -47.452,-69.772 ; -47.427,-69.642 cw(c-43.945,-70.372) -47.393,-69.492 ; -47.427,-69.642 -47.427,-69.642 ; -47.393,-69.492 cw(c-43.876,-70.392) -47.025,-68.586 ; -47.393,-69.492 -47.393,-69.492 ; -47.025,-68.586 cw(c-43.907,-70.375) -46.915,-68.407 ; -47.025,-68.586 -47.025,-68.586 ; -46.915,-68.407 cw(c-43.938,-70.354) -46.825,-68.275 cw(c-43.968,-70.333) -46.745,-68.17 ; -46.915,-68.407 -46.915,-68.407 ; -46.745,-68.17 cw(c-43.996,-70.311) -46.669,-68.075 ; -46.745,-68.17 -46.745,-68.17 ; -46.669,-68.075 cw(c-44.023,-70.288) -46.597,-67.992 ; -46.669,-68.075 -46.669,-68.075 ; -46.597,-67.992 cw(c-44.068,-70.247) -46.394,-67.783 ; -46.597,-67.992 -46.597,-67.992 ; -46.394,-67.783 cw(c-44.05,-70.266) -46.259,-67.662 ; -46.394,-67.783 -46.394,-67.783 ; -46.259,-67.662 cw(c-44.009,-70.318) -45.336,-67.1 cw(c-44.008,-70.321) -45.192,-67.044 cw(c-43.991,-70.369) -44.64,-66.894 ; -46.259,-67.662 -46.259,-67.662 ; -44.64,-66.894 cw(c-43.993,-70.356) -44.384,-66.856 cw(c-43.998,-70.318) -44.231,-66.842 ; -44.64,-66.894 -44.64,-66.894 ; -44.231,-66.842 cw(c-44,-70.283) -44.111,-66.836 ; -44.231,-66.842 -44.231,-66.842 ; -44.111,-66.836 cw(c-44.001,-70.246) -44.001,-66.835 -41.801,-66.835 ccw(c-41.801,-64.835) -39.801,-64.835 ; -44.111,-66.836 -44.111,-66.836 ; -39.801,-64.835 -39.801,-64.835 ; -39.801,-64.835 -39.801,-3.8 cw(c-36.001,-3.8) -36.001,0 35.999,0 cw(c35.999,-3.8) 39.799,-3.8 39.799,-64.835 ; 39.799,-64.835 ccw(c41.799,-64.835) 41.799,-66.835 43.999,-66.835 cw(c43.999,-70.239) 44.064,-66.835 cw(c43.998,-70.268) 44.179,-66.839 ; 39.799,-64.835 39.799,-64.835 ; 44.179,-66.839 cw(c43.996,-70.304) 44.316,-66.849 cw(c43.989,-70.368) 45.064,-67.002 ; 44.179,-66.839 44.179,-66.839 ; 45.064,-67.002 cw(c44.006,-70.319) 45.838,-67.358 ; 45.064,-67.002 45.064,-67.002 ; 45.838,-67.358 cw(c44.011,-70.312) 46.154,-67.579 ; 45.838,-67.358 45.838,-67.358 ; 46.154,-67.579 cw(c44.034,-70.282) 46.314,-67.712 ; 46.154,-67.579 46.154,-67.579 ; 46.314,-67.712 cw(c44.063,-70.25) 46.497,-67.887 cw(c44.057,-70.256) 46.569,-67.963 ; 46.314,-67.712 46.314,-67.712 ; 46.569,-67.963 cw(c44.03,-70.28) 46.642,-68.046 ; 46.569,-67.963 46.569,-67.963 ; 46.642,-68.046 cw(c44.003,-70.303) 46.715,-68.135 cw(c43.975,-70.325) 46.793,-68.235 ; 46.642,-68.046 46.642,-68.046 ; 46.793,-68.235 cw(c43.946,-70.347) 46.879,-68.357 ; 46.793,-68.235 46.793,-68.235 ; 46.879,-68.357 cw(c43.916,-70.367) 46.977,-68.51 ; 46.879,-68.357 46.879,-68.357 ; 46.977,-68.51 cw(c43.872,-70.393) 47.255,-69.073 ; 46.977,-68.51 46.977,-68.51 ; 47.255,-69.073 cw(c43.883,-70.389) 47.358,-69.375 cw(c43.92,-70.378) 47.404,-69.551 cw(c43.956,-70.369) 47.436,-69.696 ; 47.255,-69.073 47.255,-69.073 ; 47.436,-69.696 cw(c43.992,-70.362) 47.457,-69.821 cw(c44.028,-70.357) 47.473,-69.935 ; 47.436,-69.696 47.436,-69.696 ; 47.473,-69.935 cw(c44.063,-70.353) 47.485,-70.044 ; 47.473,-69.935 47.473,-69.935 ; 47.485,-70.044 cw(c44.099,-70.349) 47.493,-70.148 ; 47.485,-70.044 47.485,-70.044 ; 47.493,-70.148 47.493,-70.148

## Other copper
Top Layer:
  rectangle net GND: -23.05,-30.934 -21.072,-30.391
  rectangle net VCC-IO: -23.25,-28.121 -20.687,-26.818
  rectangle net VCC-IO: -37.5,-70 -36.7,-27.321
  rectangle net VCC-IO: -37.5,-70 -36.15,-68.7
  rectangle net VCC-IO: -7.75,-70 -6.554,-62.9
  rectangle net VCC-IO: -10.117,-63.85 -6.554,-62.9
  rectangle net VCC-TV: -18.352,-33.95 -16.95,-29.275
  rectangle net VCC-TV: -20.35,-30 -16.95,-29.275
  rectangle net GND: -31.307,-64.862 -29.789,-62.15
  rectangle net VBAT: -23.3,-75.15 -22.15,-62.5
  rectangle net LED+: 1.05,-68.95 2.35,-59.65
  rectangle net GND: 28.05,-40.204 29.8,-39.204
  rectangle net GND: 28.1,-49.6 29.95,-48.75
  rectangle net GND: 32.75,-28.9 33.6,-27
  rectangle net VCC-IO: -10.1,-63.85 -8.867,-43.746
  rectangle net LED-: 12.078,-72.9 13.178,-68.07
  rectangle net VCC-IO: 4.721,-65.75 23.633,-64.35
  rectangle net VCC-IO: 22.134,-65.75 23.633,-52.75
  rectangle net VBAT: 26.571,-54.05 38.6,-52.25
  rectangle net VBAT: 26.571,-56.05 28.802,-52.45
  rectangle net VBAT: 36.85,-53.55 38.6,-13.626
  rectangle net VBAT: 29.164,-15.126 31.052,-3.121
  rectangle net VCC-IO: -21.2,-43.633 -20.2,-41.5
  region net VBAT: -10.097,-3.121 -12.267,-3.121 -12.267,-18.321 -10.097,-18.321
  region net VBAT: -10.167,-3.121 -12.167,-3.121 -12.167,-14.521 -10.167,-14.521
  region net LED-: -4.697,-49.816 -5.537,-49.816 -5.537,-72.9 -4.697,-72.9
  region net LED+: -3.687,-49.592 -4.537,-49.592 -4.537,-68.95 -3.687,-68.95
  region net VBAT: 38.5,-39.166 34.152,-39.166 34.152,-40.331 38.5,-40.331
  region net VCC-IO: 14.634,-21.721 14.033,-21.721 14.033,-30.771 14.634,-30.771
  region net AVCC: -9.137,-39.321 -9.903,-39.321 -9.903,-41.671 -9.137,-41.671
  region net VCC-IO: 23.633,-40.791 22.134,-40.791 22.134,-49.484 23.633,-49.484
  region net VCC-IO: 15.933,-30.021 13.134,-30.021 13.134,-30.771 15.933,-30.771
  region net VCC-IO: 15.933,-30.021 15.134,-30.021 15.134,-42.221 15.933,-42.221
  region net VCC_1V1: 23.833,-39.521 21.433,-39.521 21.433,-40.321 23.833,-40.321
  region net VCC_1V1: 23.833,-33.833 22.633,-33.833 22.633,-40.321 23.833,-40.321
  region net VCC-DRAM-AP: 8.833,-34.021 7.634,-34.021 7.634,-36.438 8.833,-36.438
  region net VCC-DRAM-AP: 14.633,-31.038 13.447,-31.038 13.447,-36.421 14.633,-36.421
  region net VCC-DRAM-AP: 28.802,-31.038 26.333,-31.038 26.333,-32.221 28.802,-32.221
  region net VBAT: 37.033,-22.484 32.633,-22.484 32.633,-24.021 37.033,-24.021
  region net VUSB: -10.267,-20.621 -12.467,-20.621 -12.467,-25.721 -10.267,-25.721
  region net VUSB: -10.767,-20.621 -12.467,-20.621 -12.467,-26.921 -10.767,-26.921
  region net VUSB: -10.767,-25.614 -15.154,-25.614 -15.154,-26.921 -10.767,-26.921
  region net VCC_MCU: 29.08,-16.721 26.043,-16.721 26.043,-18.121 29.08,-18.121
  region net VBAT: 33.333,-18.621 29.164,-18.621 29.164,-19.919 33.333,-19.919
  region net VBAT: 38.133,-18.621 32.533,-18.621 32.533,-19.919 38.133,-19.919
  region net 1V1_SW: 32.233,-33.827 30.333,-33.827 30.333,-39.121 32.233,-39.121
  region net 2V5_SW: 27.252,-24.745 27.252,-26.445 32.535,-26.445 32.535,-24.745
  region net 3V3_SW: 32.124,-46.468 30.854,-46.468 30.854,-48.471 32.124,-48.471
  region net VBAT: 37.654,-48.121 33.034,-48.121 33.034,-49.621 37.654,-49.621
  region net VBAT: -6.467,-3.121 -12.267,-3.121 -12.267,-4.821 -6.467,-4.821
  region net VCC-IO: -21.9,-26.95 -20.6,-26.95 -20.6,-28.131 -21.45,-28.981 -21.45,-30.021 -23,-30.021 -23,-29.021 -21.9,-27.921
  region net VCC-TV: -20.15,-26.95 -20.15,-28.35 -20.35,-28.55 -20.35,-30 -18.75,-30 -18.75,-26.95
  region net GND: 31.202,-54.3 31.202,-56.098 30.5,-56.8 30.5,-61.3 32.2,-61.3 32.2,-56.867 32.92,-56.147 33.447,-56.147 33.45,-54.3
  region net VBAT: 26.571,-54 26.571,-56.171 27.85,-57.45 27.85,-75.15 29.55,-75.15 29.55,-56.851 28.849,-56.15 28.854,-54
  region net AVCC: -10.867,-41.714 -8.429,-41.714 -8.429,-40.866 -9.898,-40.866 -10.167,-41.135 -10.867,-41.135
  region net VBAT: 33.702,-22.484 33.702,-24.344 33.502,-24.544 33.502,-26.121 33.48,-26.1 32.802,-26.1 32.802,-24.521 32.602,-24.321 32.602,-22.484
  region net VBAT: 30.933,-40.021 32.333,-40.021 32.633,-40.321 34.633,-40.321 34.633,-39.166 32.61,-39.166 32.354,-39.421 30.933,-39.421
  region net VCC_1V1: 29.494,-36.221 28.43,-36.221 27.73,-35.521 22.633,-35.521 22.633,-33.833 29.482,-33.833 29.494,-33.821
  region net VCC-DRAM-AP: 29.518,-27.321 29.518,-28.858 28.902,-29.474 28.902,-30.721 28.802,-30.821 28.802,-32.221 27.602,-32.221 27.602,-28.674 27.302,-28.374 27.302,-27.321
  region net VCC-IO: 30.133,-45.621 28.854,-45.621 27.954,-44.721 22.233,-44.721 22.233,-43.321 30.133,-43.321
  region net 3V3_SW: 32.114,-47.121 32.114,-46.479 32.478,-46.114 32.478,-43.321 31.454,-43.321 31.454,-45.521 30.854,-46.121 30.854,-47.121
  region net VBAT: 34.354,-49.621 32.454,-49.621 32.254,-49.421 31.054,-49.421 30.874,-49.241 30.874,-49.001 31.054,-48.821 32.254,-48.821 32.954,-48.121 34.356,-48.121
Bottom Layer:
  rectangle net VCC-TV: -7.75,-33.163 -7.238,-31.85
  rectangle net VCC-IO: -37.5,-29.45 -36.7,-27.321
  rectangle net VCC-IO: -37.5,-28.121 -22.055,-27.321
  rectangle net VCC-IO: -23.25,-28.121 -22.055,-26.818
  rectangle net VCC-IO: -37.5,-70 -36.15,-68.7
  rectangle net VCC-IO: -37.5,-70 -6.554,-69.2
  rectangle net VCC-IO: -7.75,-70 -6.554,-68.75
  rectangle net VCC-TV: -13.329,-33.421 -5,-32.8
  rectangle net VCC-TV: -13.329,-33.904 -12.55,-32.8
  rectangle net VCC-TV: -18.352,-33.95 -12.55,-33.235
  rectangle net VCC-TV: -18.352,-33.95 -16.95,-32.8
  rectangle net VCC-IO: -12.267,-34.233 -10.511,-33.7
  rectangle net VCC-IO: -12.267,-35.521 -11.6,-33.7
  rectangle net VCC-IO: -13.567,-35.521 -11.6,-35.021
  rectangle net VBAT: -23.3,-75.15 -22.15,-72.2
  rectangle net VBAT: -23.3,-75.15 29.55,-73.5
  rectangle net LED+: -4.537,-68.95 5.845,-67.8
  rectangle net LED+: 4.733,-68.95 5.9,-66.05
  rectangle net VCC-IO: 4.778,-65.669 6.178,-63.569
  rectangle net GND: 9.55,-66.9 11.3,-66.25
  rectangle net LED+: -4.537,-68.95 -3.687,-67.081
  rectangle net VCC-IO: -10.097,-54.6 -8.867,-53.35
  rectangle net VCC-IO: -10.1,-44.871 -8.867,-41.876
  rectangle net LED-: -5.537,-72.85 -4.697,-70.85
  rectangle net LED-: -5.537,-72.9 13.178,-71.65
  rectangle net VCC-IO: -10.1,-54.65 23.584,-53.7
  rectangle net VCC-IO: 22.134,-54.622 23.633,-47.85
  rectangle net VBAT: 29.164,-15.121 38.6,-13.626
  rectangle net VBAT: -10.3,-4.821 31.052,-3.121
  rectangle net VCC-IO: -21.197,-43.05 -20.2,-41.5
  rectangle net LED-: 9.778,-67.969 13.178,-67.069
  rectangle net LX_LCD: 9.778,-65.969 11.078,-59.471
  rectangle net LED-: 12.078,-69.25 13.178,-67.069
  region net VCC-IO: -8.867,-41.821 -21.197,-41.821 -21.197,-43.05 -8.867,-43.05
  region net GND: -10.175,-40.033 -12.467,-40.033 -12.467,-40.923 -10.175,-40.923
  region net VCC-IO: 14.133,-51.822 13.033,-51.822 13.033,-54.622 14.133,-54.622
  region net VCC-IO: 6.816,-22.321 -9.667,-22.321 -9.667,-22.921 6.816,-22.921
  region net VCC-IO: 6.816,-20.921 6.095,-20.921 6.095,-23.121 6.816,-23.121
  region net VCC-IO: 14.634,-21.721 6.095,-21.721 6.095,-22.535 14.634,-22.535
  region net VCC-IO: 14.632,-21.721 14.033,-21.721 14.033,-22.921 14.632,-22.921
  region net VCC-IO: -12.967,-35.021 -13.567,-35.021 -13.567,-42.183 -12.967,-42.183
  region net AVCC: -5.967,-36.471 -6.71,-36.471 -6.71,-38.704 -5.967,-38.704
  region net AVCC: -5.967,-38.35 -9.903,-38.35 -9.903,-39.221 -5.967,-39.221
  region net AVCC: -9.137,-38.35 -9.903,-38.35 -9.903,-40.521 -9.137,-40.521
  region net VCC_2V8: -6.967,-39.421 -8.867,-39.421 -8.867,-40.691 -6.967,-40.691
  region net VCC_1V1: 5.133,-34.604 4.333,-34.604 4.333,-38.921 5.133,-38.921
  region net VCC_1V1: 5.133,-34.621 2.633,-34.621 2.633,-35.604 5.133,-35.604
  region net VCC-IO: 5.045,-30.371 4.433,-30.371 4.433,-31.904 5.045,-31.904
  region net VCC-IO: 15.933,-30.021 -4.452,-30.021 -4.452,-30.771 15.933,-30.771
  region net VCC-IO: 4.333,-39.204 3.233,-39.204 3.233,-42.221 4.333,-42.221
  region net VCC_1V1: 6.333,-37.421 4.333,-37.421 4.333,-38.171 6.333,-38.171
  region net VCC_1V1: 6.333,-37.396 5.433,-37.396 5.433,-40.296 6.333,-40.296
  region net VCC-DRAM-AP: 8.433,-34.021 7.634,-34.021 7.634,-36.421 8.433,-36.421
  region net VCC-DRAM-AP: 14.633,-35.185 7.634,-35.185 7.634,-36.421 14.633,-36.421
  region net VCC-DRAM-AP: 27.533,-31.038 13.447,-31.038 13.447,-32.221 27.533,-32.221
  region net VCC_1V1: 23.833,-39.521 5.433,-39.521 5.433,-40.321 23.833,-40.321
  region net VCC-IO: 23.633,-40.821 3.233,-40.821 3.233,-42.221 23.633,-42.221
  region net VCC-TV: -5.579,-32.821 -5.579,-33.5 -5.479,-33.6 -5.096,-33.6 -5,-33.504 -5,-32.821
  region net LED+: 8.634,-66.15 6.15,-66.15 5.95,-65.95 4.75,-65.95 4.75,-67.6 6.4,-67.6 6.95,-67.05 8.634,-67.05
  region net VCC-IO: 4.664,-65.75 6.878,-65.75 7.178,-65.969 8.634,-65.969 8.634,-62.031 7.515,-62.031 6.578,-62.969 4.664,-62.969

## Silkscreen, mask and mechanical layers (free items; w line width, h text height)
Top Overlay:
  lines w0.2: -16.667,-43.221 -16.655,-43.233 ; 12.927,-33.928 12.927,-43.228 ; 12.933,-43.221 12.927,-43.228 ; 12.933,-33.921 7.634,-33.921 7.634,-43.228 12.927,-43.228 ; -33.55,-39.45 -33.55,-31.021 -28.067,-31.021 -28.067,-29.021 -24.967,-29.021 -24.967,-38.521 -30.267,-38.521 -30.267,-39.45 -33.55,-39.45 ; -15.2,-43.1 -10.667,-43.1 -10.667,-42.321 -6.467,-42.321 -6.46,-42.314 -6.46,-31.841 -9.53,-31.841 -9.53,-34.233 -15.055,-34.233 -15.2,-34.088 -15.2,-43.1 ; -8.867,-24.821 -8.867,-15.226 -6.15,-15.226 -6.101,-15.275 -6.101,-24.821 -8.867,-24.821
  text "Face_InMain1V0" at -24.3,-5.6 h3
  text "GND" at 35.55,-9.714 h0.8
  text "KEY" at -31.55,-18.674 h3 r90
  text "A" at -36,-33.4 h3
  text "A" at -17.717,-36.75 h3
  text "POWER" at 37.75,-67.25 h3 r90
  text "INPUT" at -29.3,-72.3 h3
  text "MIC" at -16.15,-72.35 h3
  text "+" at 22.767,-72.773 h3
  text "-" at 33.954,-73.173 h3
  text "GND" at -44.003,-76.95 h0.8
Mechanical 1:
  lines w0.2: -47.501,-70.297 cw(c-44.156,-70.346) -47.498,-70.203 ; -47.501,-70.297 -47.501,-70.346 -47.501,-75.8 ccw(c-45.501,-75.8) -45.501,-77.8 45.499,-77.8 ccw(c45.499,-75.8) 47.499,-75.8 47.499,-70.346 ccw(c44.17,-70.346) 47.497,-70.247 ccw(c44.135,-70.347) 47.493,-70.148 ; -47.501,-70.297 -47.501,-70.297 ; -47.498,-70.203 cw(c-44.122,-70.348) -47.493,-70.105 ; -47.498,-70.203 -47.498,-70.203 ; -47.493,-70.105 cw(c-44.087,-70.351) -47.483,-70.001 ; -47.493,-70.105 -47.493,-70.105 ; -47.483,-70.001 cw(c-44.052,-70.354) -47.47,-69.891 cw(c-44.016,-70.359) -47.452,-69.772 ; -47.483,-70.001 -47.483,-70.001 ; -47.452,-69.772 cw(c-43.981,-70.365) -47.427,-69.642 ; -47.452,-69.772 -47.452,-69.772 ; -47.427,-69.642 cw(c-43.945,-70.372) -47.393,-69.492 ; -47.427,-69.642 -47.427,-69.642 ; -47.393,-69.492 cw(c-43.876,-70.392) -47.025,-68.586 ; -47.393,-69.492 -47.393,-69.492 ; -47.025,-68.586 cw(c-43.907,-70.375) -46.915,-68.407 ; -47.025,-68.586 -47.025,-68.586 ; -46.915,-68.407 cw(c-43.938,-70.354) -46.825,-68.275 cw(c-43.968,-70.333) -46.745,-68.17 ; -46.915,-68.407 -46.915,-68.407 ; -46.745,-68.17 cw(c-43.996,-70.311) -46.669,-68.075 ; -46.745,-68.17 -46.745,-68.17 ; -46.669,-68.075 cw(c-44.023,-70.288) -46.597,-67.992 ; -46.669,-68.075 -46.669,-68.075 ; -46.597,-67.992 cw(c-44.068,-70.247) -46.394,-67.783 ; -46.597,-67.992 -46.597,-67.992 ; -46.394,-67.783 cw(c-44.05,-70.266) -46.259,-67.662 ; -46.394,-67.783 -46.394,-67.783 ; -46.259,-67.662 cw(c-44.009,-70.318) -45.336,-67.1 cw(c-44.008,-70.321) -45.192,-67.044 cw(c-43.991,-70.369) -44.64,-66.894 ; -46.259,-67.662 -46.259,-67.662 ; -44.64,-66.894 cw(c-43.993,-70.356) -44.384,-66.856 cw(c-43.998,-70.318) -44.231,-66.842 ; -44.64,-66.894 -44.64,-66.894 ; -44.231,-66.842 cw(c-44,-70.283) -44.111,-66.836 ; -44.231,-66.842 -44.231,-66.842 ; -44.111,-66.836 cw(c-44.001,-70.246) -44.001,-66.835 -41.801,-66.835 ccw(c-41.801,-64.835) -39.801,-64.835 ; -44.111,-66.836 -44.111,-66.836 ; -39.801,-64.835 -39.801,-64.835 ; -39.801,-64.835 -39.801,-3.8 cw(c-36.001,-3.8) -36.001,0 35.999,0 cw(c35.999,-3.8) 39.799,-3.8 39.799,-64.835 ; 39.799,-64.835 ccw(c41.799,-64.835) 41.799,-66.835 43.999,-66.835 cw(c43.999,-70.239) 44.064,-66.835 cw(c43.998,-70.268) 44.179,-66.839 ; 39.799,-64.835 39.799,-64.835 ; 44.179,-66.839 cw(c43.996,-70.304) 44.316,-66.849 cw(c43.989,-70.368) 45.064,-67.002 ; 44.179,-66.839 44.179,-66.839 ; 45.064,-67.002 cw(c44.006,-70.319) 45.838,-67.358 ; 45.064,-67.002 45.064,-67.002 ; 45.838,-67.358 cw(c44.011,-70.312) 46.154,-67.579 ; 45.838,-67.358 45.838,-67.358 ; 46.154,-67.579 cw(c44.034,-70.282) 46.314,-67.712 ; 46.154,-67.579 46.154,-67.579 ; 46.314,-67.712 cw(c44.063,-70.25) 46.497,-67.887 cw(c44.057,-70.256) 46.569,-67.963 ; 46.314,-67.712 46.314,-67.712 ; 46.569,-67.963 cw(c44.03,-70.28) 46.642,-68.046 ; 46.569,-67.963 46.569,-67.963 ; 46.642,-68.046 cw(c44.003,-70.303) 46.715,-68.135 cw(c43.975,-70.325) 46.793,-68.235 ; 46.642,-68.046 46.642,-68.046 ; 46.793,-68.235 cw(c43.946,-70.347) 46.879,-68.357 ; 46.793,-68.235 46.793,-68.235 ; 46.879,-68.357 cw(c43.916,-70.367) 46.977,-68.51 ; 46.879,-68.357 46.879,-68.357 ; 46.977,-68.51 cw(c43.872,-70.393) 47.255,-69.073 ; 46.977,-68.51 46.977,-68.51 ; 47.255,-69.073 cw(c43.883,-70.389) 47.358,-69.375 cw(c43.92,-70.378) 47.404,-69.551 cw(c43.956,-70.369) 47.436,-69.696 ; 47.255,-69.073 47.255,-69.073 ; 47.436,-69.696 cw(c43.992,-70.362) 47.457,-69.821 cw(c44.028,-70.357) 47.473,-69.935 ; 47.436,-69.696 47.436,-69.696 ; 47.473,-69.935 cw(c44.063,-70.353) 47.485,-70.044 ; 47.473,-69.935 47.473,-69.935 ; 47.485,-70.044 cw(c44.099,-70.349) 47.493,-70.148 ; 47.485,-70.044 47.485,-70.044 ; 47.493,-70.148 47.493,-70.148
Mechanical 4:
  drawing of 355 lines, arcs and shapes, not listed

## Text inside footprints (layer, text, board x,y; h text height)
X1: Top Overlay "CF803" at 21.699,-25.634 h0.7 r90